# KiCad board LV Carrier Board.kicad_pcb (continued)
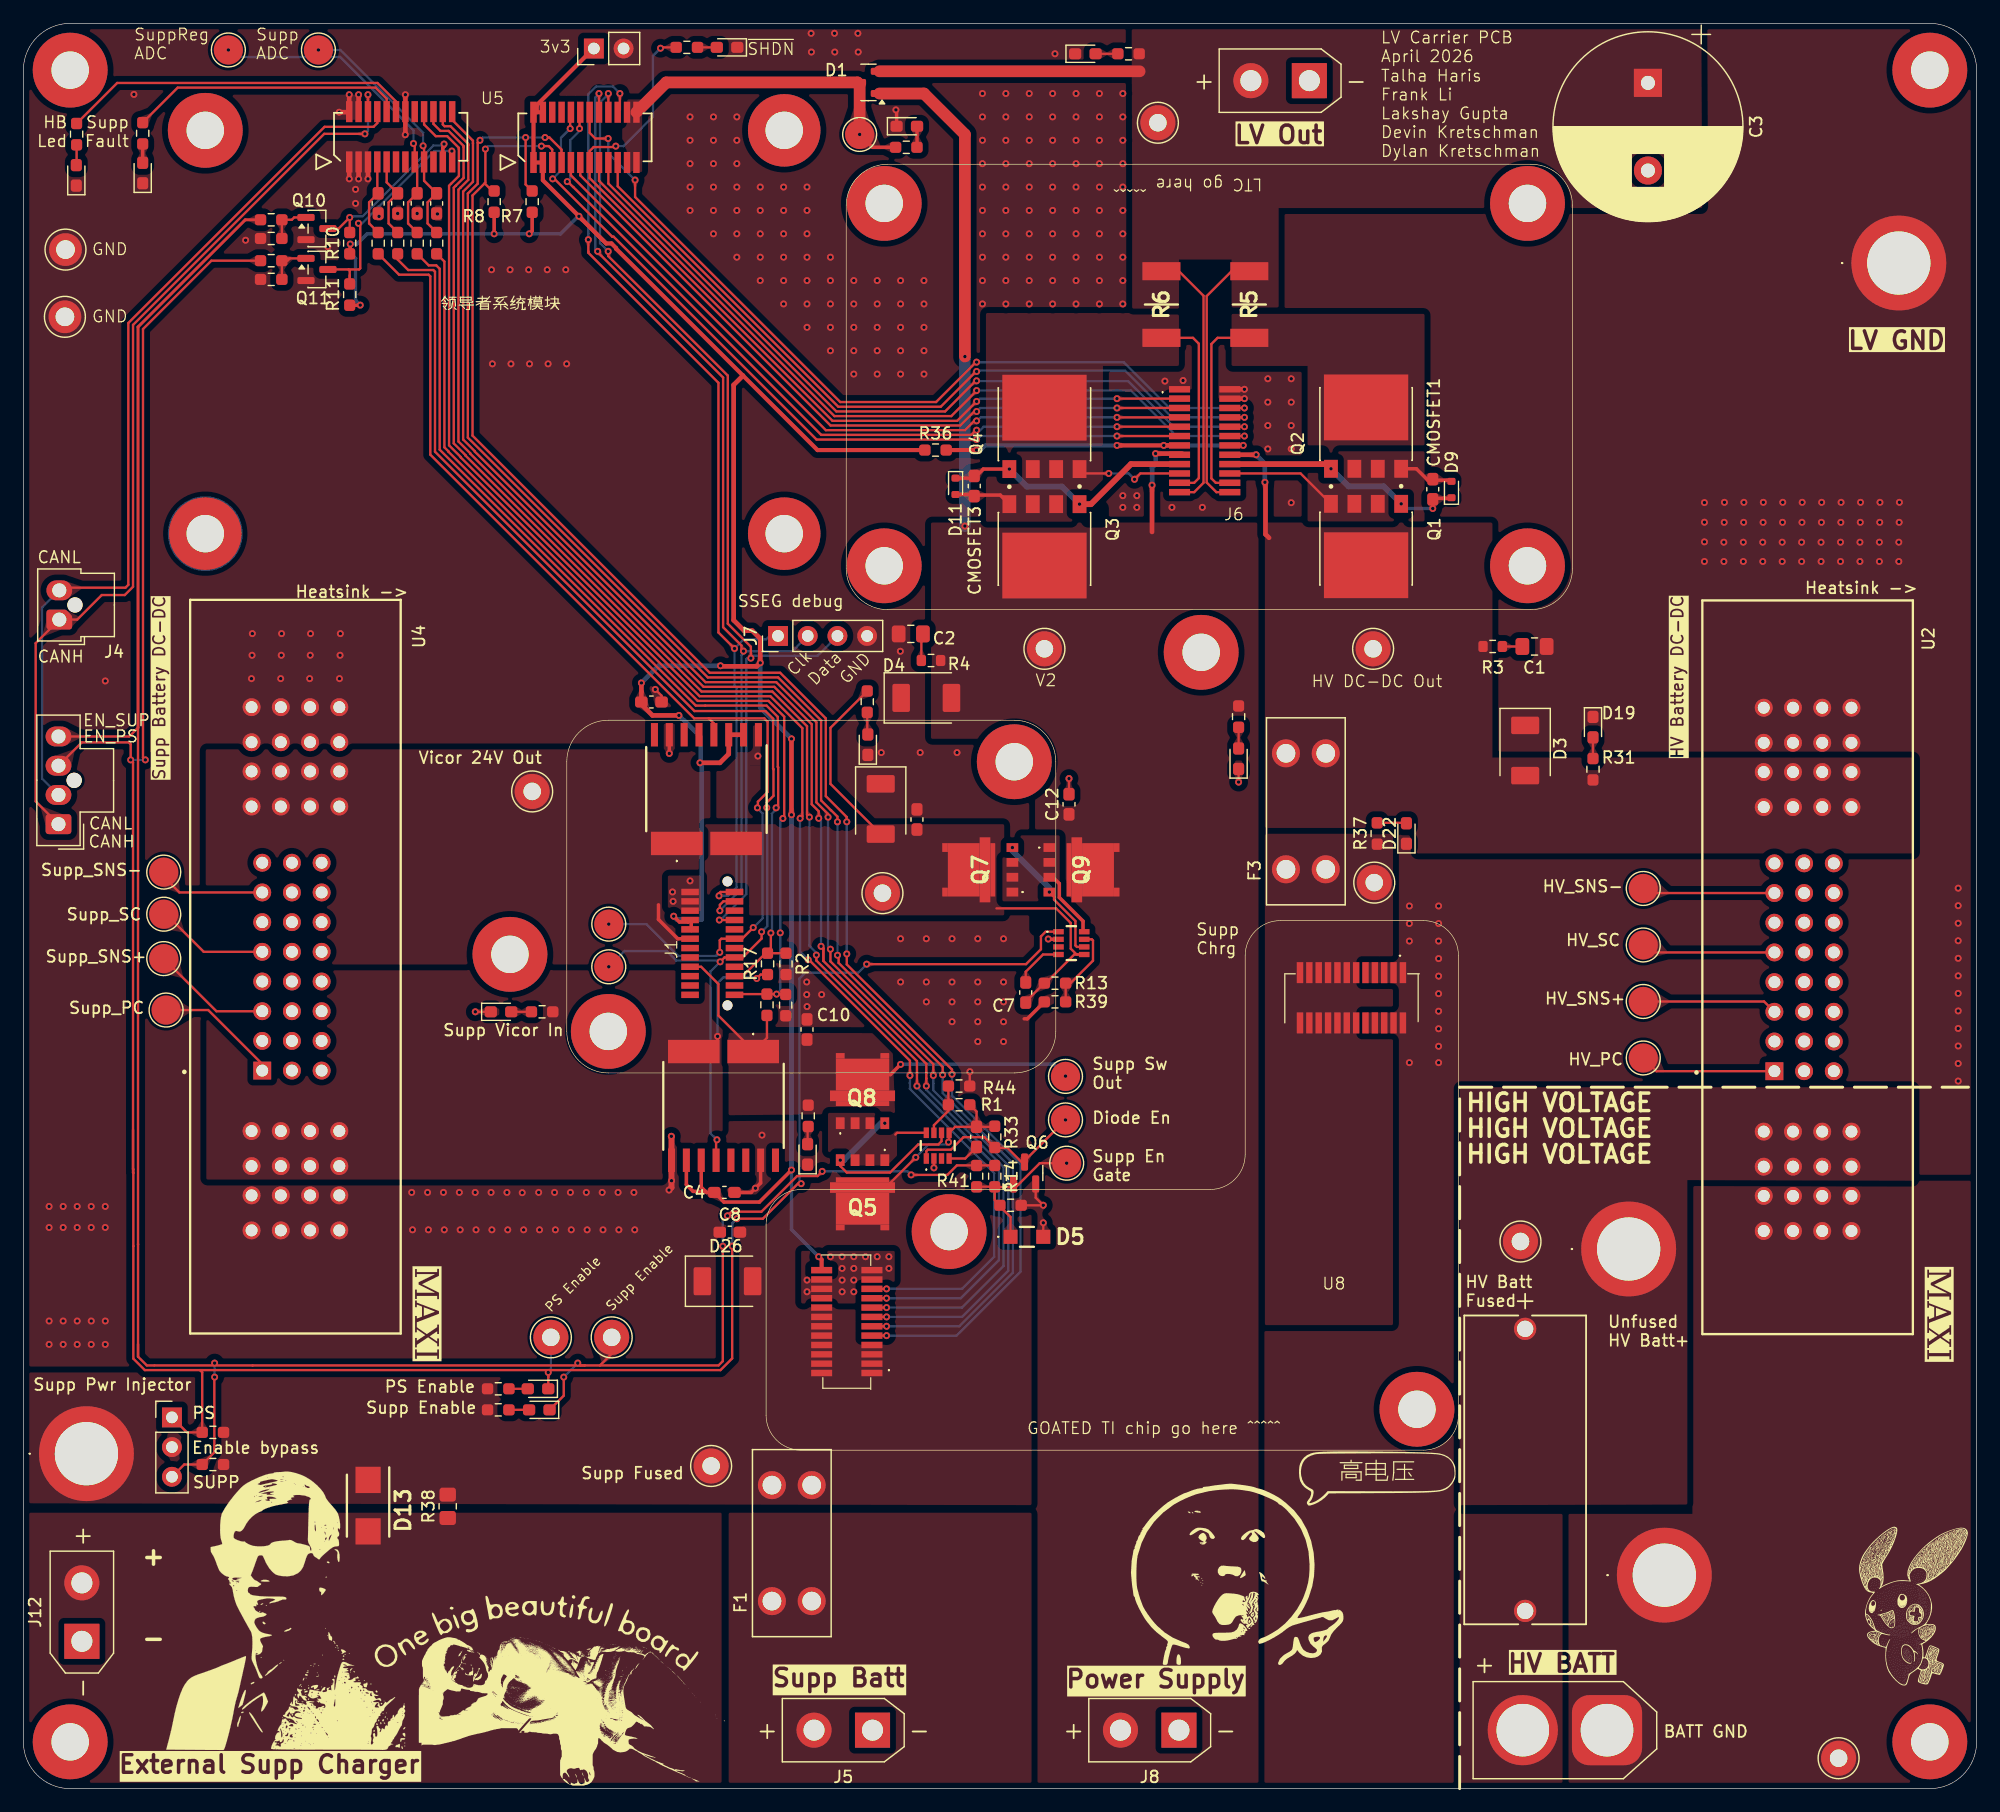
[diagram p0: board, top side]
## Library data of the parts (continued)
R5 R6 = -: Description: Resistor; P/N: WSLF25121L300FEA; Assemble: Y; LSCS P/N: WSLF25121L300FEA; ki_fp_filters: R_*
R7 R8 R21-R24 R39 = -: Description: Resistor; P/N: CRCW060310K0FKEI; Assemble: Y; LSCS P/N: C25804; ki_fp_filters: R_*
R9 R35 R40 R45 = -: Datasheet: https://www.mouser.com/ProductDetail/Vishay/CRCW06034K70FKEA?qs=4E3O%252BEEZcdLDG%2FSk4GmlWQ%3D%3D&srsltid=AfmBOoqcFOp_RyXq2yrOgJIYefuosjeBTcR7TE2c5E8zthdTaDTezlM7; Description: Resistor; P/N: CRCW06034K70FKEA; LSCC P/N: C23162; Assemble: Y; LSCS P/N: C23162; LCSC: C23162; ki_fp_filters: R_*
R10 R11 R44 = -: Datasheet: https://www.mouser.com/ProductDetail/Vishay/CRCW060310K0FKEI?qs=3qWEzBg5KnKofE%252B8acPBRA%3D%3D&srsltid=AfmBOoqKim6ih2rJJ1EIhwDCT-JirqUJIep-ZlqxnK3BQM3p3g1ka950; Description: Resistor; P/N: CRCW060310K0FKEI; LSCC P/N: C25804; Assemble: Y; LSCS P/N: C25804; LCSC: C25804; ki_fp_filters: R_*
R12 R18 = -: Description: Resistor; P/N: CRCW06031K00FKEI; Assemble: Y; LSCS P/N: C21190; ki_fp_filters: R_*
R13 = -: Description: Resistor; P/N: RT0603BRD07198KL; Assemble: Y; LCSC: C25811; ki_fp_filters: R_*
R14 R15 = -: Description: Resistor; P/N: CRCW060310K0FKEI; Assemble: N; LSCS P/N: C25804; ki_fp_filters: R_*
R16 R19 R25-R29 R31 R32 R37 = -: Description: Resistor; P/N: CRCW06034K30FKTA; Assemble: Y; LSCS P/N: C23162; ki_fp_filters: R_*
R17 R20 = -: Description: Resistor; P/N: CRCW060310K0FKEI; LCSC P/N: C25804; ki_fp_filters: R_*
R30 = -: Description: Resistor; P/N: CRCW06031K00FKEI; Assemble: Y; LSCS P/N: C21190; LCSC: C21190; ki_fp_filters: R_*
R33 R42 R43 = -: Description: Resistor; P/N: CRCW0603100KFKEE; Assemble: Y; LSCS P/N: C25803; ki_fp_filters: R_*
R36 = -: Description: Resistor; P/N: CRCW06034K30FKTA; Assemble: Y; LSCS P/N: C23162; LCSC: C21189; ki_fp_filters: R_*
R38 = -: Description: Resistor; P/N: CRCW08050000Z0EA; Assemble: N; LSCS P/N: C844934; LCSC: C21189; ki_fp_filters: R_*
R41 = -: Datasheet: https://www.mouser.com/ProductDetail/Vishay/CRCW06031K00FKEI?qs=%252B6g0mu59x7LmDUigK4duvw%3D%3D&srsltid=AfmBOoq-qbpfAjzhtzCNjmKpq35FQ1BHTaIyFUz28_1v8HZaKbIrwYgN; Description: Resistor; P/N: CRCW06031K00FKEI; LSCC P/N: C21190; Assemble: Y; LSCS P/N: C21190; LCSC: C21190; ki_fp_filters: R_*
TP1-TP29 = -: Description: test point; Assemble: N; ki_fp_filters: Pin* Test*
U2 = -: Datasheet: https://suddendocs.samtec.com/productspecs/et60s-et60t.pdf; Description: Maxi DC-DC Converter Carrier Vertical PCB Mount Connector; P/N: SAMTEC_ET60S-D02-3-08-D02-X-V1-S; Datasheet2: https://www.vicorpower.com/documents/datasheets/ds_110vin-maxi-family.pdf; Assemble: N
U4 = -: Datasheet: https://suddendocs.samtec.com/productspecs/et60s-et60t.pdf; Description: Maxi DC-DC Converter Carrier Vertical PCB Mount Connector; P/N: SAMTEC_ET60S-D02-3-08-D02-X-V1-S; Datasheet2: https://www.vicorpower.com/documents/datasheets/ds_24vin-micro-family.pdf; Assemble: N
U5 = -: Datasheet: https://github.com/lhr-solar/LeaderSOMPCB; Description: Symbol for both board-to-board connectors from the LeaderSOM; Height: 3.55; Mouser Part Number: 538-52465-2470; Mouser Price/Stock: https://www.mouser.co.uk/ProductDetail/Molex/52465-2470?qs=sEN%2FkO1EG6Yhu4DkZwbE7Q%3D%3D; Manufacturer_Name: Molex; P/N: 53307-2471; Assemble: N
U8 = -: Datasheet: https://www.digikey.com/en/products/detail/molex/0533072471/3197073; Height: 3.55; Mouser Part Number: 538-52465-2470; Manufacturer_Name: Molex; P/N: 53307-2471; Mouser Price/Stock: https://www.mouser.co.uk/ProductDetail/Molex/52465-2470?qs=sEN%2FkO1EG6Yhu4DkZwbE7Q%3D%3D; Assemble: N

## Footprints (pads in the part's own frame, mm; a bottom-side part is the same pattern mirrored in y, then rotated)
5754
  round 8.115 hole 5.41: 1(0,0)
AMASS_XT30UPB-M_1x02_P5.0mm_Vertical
  rect 3x3 hole 1.8: 1(0,0)
  round 3 hole 1.8: 2(5,0)
AMASS_XT60-M_1x02_P7.20mm_Vertical
  rrect 6x6 hole 4.5: 1(0,0)
  round 6 hole 4.5: 2(7.2,0)
AP74502HQTA87
  rect 0.45x0.9 smd: 1(-0.975,-1.1) 2(-0.325,-1.1) 3(0.325,-1.1) 4(0.975,-1.1) 5(0.975,1.1) 6(0.325,1.1) 7(-0.325,1.1) 8(-0.975,1.1)
B340BQ-13-F
  rect 2.25x2.15 smd: 1(-2.2,0) 2(2.2,0)
C_0603_1608Metric_Pad1.08x0.95mm_HandSolder
  rrect 1.075x0.95 smd: 1(-0.863,0) 2(0.863,0)
C_0805_2012Metric_Pad1.18x1.45mm_HandSolder
  rrect 1.175x1.45 smd: 1(-1.038,0) 2(1.038,0)
CP_Radial_D16.0mm_P7.50mm
  rect 2.4x2.4 hole 1.2: 1(0,0)
  round 2.4 hole 1.2: 2(7.5,0)
D_SOD-523
  rrect 0.6x0.7 smd: 1(-0.7,0) 2(0.7,0)
FUSE_3568
  round 2.4 hole 1.6: 1(-4.96,1.7) 1(-4.96,-1.7) 2(4.96,1.7) 2(4.96,-1.7)
FUSE_05200101Z_LTF
  round 1.905 hole 1.397: 1(0,0) 2(24.13,0)
HPZRC3V0QX
  rect 1.2x1.2 smd: 1(-1.4,0) 2(1.4,0)
LeaderSOM
  rect 0.55x1.8 smd: 1(3.474,-8.2) 2(3.474,-3.9) 3(4.274,-8.2) 4(4.274,-3.9) 5(5.074,-8.2) 6(5.074,-3.9) 7(5.874,-8.2) 8(5.874,-3.9) 9(6.674,-8.2) 10(6.674,-3.9) 11(7.474,-8.2) 12(7.474,-3.9) 13(8.274,-8.2) 14(8.274,-3.9) 15(9.074,-8.2) 16(9.074,-3.9) 17(9.874,-8.2) 18(9.874,-3.9) 19(10.674,-8.2) 20(10.674,-3.9) 21(11.474,-8.2) 22(11.474,-3.9) 23(12.274,-8.2) 24(12.274,-3.9) 25(-12.28,-8.15) 26(-12.28,-3.85) 27(-11.48,-8.15) 28(-11.48,-3.85) 29(-10.68,-8.15) 30(-10.68,-3.85) 31(-9.88,-8.15) 32(-9.88,-3.85) 33(-9.08,-8.15) 34(-9.08,-3.85) 35(-8.28,-8.15) 36(-8.28,-3.85) 37(-7.48,-8.15) 38(-7.48,-3.85) 39(-6.68,-8.15) 40(-6.68,-3.85) 41(-5.88,-8.15) 42(-5.88,-3.85) 43(-5.08,-8.15) 44(-5.08,-3.85) 45(-4.28,-8.15) 46(-4.28,-3.85) 47(-3.48,-8.15) 48(-3.48,-3.85)
  round 3.6 hole 3.2: 49(-24.59,-5.45) 50(24.91,-5.45) 51(24.91,-39.95) 52(-24.59,-39.95)
  round 6.4 smd: 49(-24.59,-5.45)
  round 6.4 smd far side: 49(-24.59,-5.45) 52(-24.59,-39.95)
  round 6.2 smd: 50(24.91,-5.45) 51(24.91,-39.95) 52(-24.59,-39.95)
  round 6.2 smd far side: 50(24.91,-5.45) 51(24.91,-39.95)
LED_0603_1608Metric_Pad1.05x0.95mm_HandSolder
  rrect 1.05x0.95 smd: 1(-0.875,0) 2(0.875,0)
LVMux
  rect 1.8x0.55 smd: 1(2.3,-4.5) 2(-2,-4.5) 3(2.3,-3.7) 4(-2,-3.7) 5(2.3,-2.9) 6(-2,-2.9) 7(2.3,-2.1) 8(-2,-2.1) 9(2.3,-1.3) 10(-2,-1.3) 11(2.3,-0.5) 12(-2,-0.5) 13(2.3,0.3) 14(-2,0.3) 15(2.3,1.1) 16(-2,1.1) 17(2.3,1.9) 18(-2,1.9) 19(2.3,2.7) 20(-2,2.7) 21(2.3,3.5) 22(-2,3.5) 23(2.3,4.3) 24(-2,4.3)
  round 3.6 hole 3.2: 25(-27.45,10.6) 25(-27.45,-20.4) 25(27.55,10.6) 25(27.55,-20.4)
  round 6.4 smd: 25(-27.45,10.6) 25(-27.45,-20.4) 25(27.55,10.6) 25(27.55,-20.4)
  round 6.4 smd far side: 25(-27.45,10.6) 25(-27.45,-20.4) 25(27.55,10.6) 25(27.55,-20.4)
Maxi_Carrier_Connector
  rect 1.53x1.53 hole 1.02: 1(8.89,-2.84)
  round 1.53 hole 1.02: 2(6.35,-2.84) 3(3.81,-2.84) 4(1.27,-2.84) 5(-1.27,-2.84) 6(-3.81,-2.84) 7(-6.35,-2.84) 8(-8.89,-2.84) 9(8.89,-0.3) 10(6.35,-0.3) 11(3.81,-0.3) 12(1.27,-0.3) 13(-1.27,-0.3) 14(-3.81,-0.3) 15(-6.35,-0.3) 16(-8.89,-0.3) 17(8.89,2.24) 18(6.35,2.24) 19(3.81,2.24) 20(1.27,2.24) 21(-1.27,2.24) 22(-3.81,2.24) 23(-6.35,2.24) 24(-8.89,2.24) P01(19.56,3.75) P01(19.56,1.25) P01(19.56,-1.25) P01(19.56,-3.75) P01(22.56,3.75) P01(22.56,1.25) P01(22.56,-1.25) P01(22.56,-3.75) P02(14.06,3.75) P02(14.06,1.25) P02(14.06,-1.25) P02(14.06,-3.75) P02(17.06,3.75) P02(17.06,1.25) P02(17.06,-1.25) P02(17.06,-3.75) P03(-16.7,3.75) P03(-16.7,1.25) P03(-16.7,-1.25) P03(-16.7,-3.75) P03(-13.7,3.75) P03(-13.7,1.25) P03(-13.7,-1.25) P03(-13.7,-3.75) P04(-22.2,3.75) P04(-22.2,1.25) P04(-22.2,-1.25) P04(-22.2,-3.75) P04(-19.2,3.75) P04(-19.2,1.25) P04(-19.2,-1.25) P04(-19.2,-3.75)
Molex_Nano-Fit_105309-xx02_1x02_P2.50mm_Vertical
  round 1.3 hole 1.3 unplated: (-1.34,-1.25)
  custom 2.2x1.7 hole 1.2: 1(0,0)
  oval 2.2x1.7 hole 1.2: 2(0,-2.5)
Molex_Nano-Fit_105309-xx04_1x04_P2.50mm_Vertical
  round 1.3 hole 1.3 unplated: (-1.08,-0.68)
  rrect 2.2x1.7 hole 1.2: 1(0.26,3.07)
  oval 2.2x1.7 hole 1.2: 2(0.26,0.57) 3(0.26,-1.93) 4(0.26,-4.43)
MountingHole_3.2mm_M3_Pad_TopBottom
  round 3.6 hole 3.2: 1(0,0)
  round 6.4 smd: 1(0,0)
  round 6.4 smd far side: 1(0,0)
NVMFWS3D0P04M8LT1G
  rect 0.75x1 smd: 1(-1.905,-2.75) 2(-0.635,-2.75) 3(0.635,-2.75) 4(1.905,-2.75)
  rect 0.75x0.48 smd: 5(1.905,3.01) 6(-1.905,3.01)
  rect 4.56x2.72 smd: 7(0,1.41)
  rect 5.56x0.91 smd: 8(0,-0.405)
  rect 4.56x0.42 smd: 9(0,-1.07)
PinHeader_1x02_P2.54mm_Vertical
  rect 1.7x1.7 hole 1: 1(0,0)
  round 1.7 hole 1: 2(0,-2.54)
PinHeader_1x03_P2.54mm_Vertical
  rect 1.7x1.7 hole 1: 1(0,0)
  round 1.7 hole 1: 2(0,-2.54) 3(0,-5.08)
PinHeader_1x04_P2.54mm_Vertical
  rect 1.7x1.7 hole 1: 1(0,0)
  oval 1.7x1.7 hole 1: 2(0,-2.54) 3(0,-5.08) 4(0,-7.62)
R_0603_1608Metric
  rrect 0.8x0.95 smd: 1(-0.825,0) 2(0.825,0)
R_0603_1608Metric_Pad0.98x0.95mm_HandSolder
  rrect 0.975x0.95 smd: 1(-0.912,0) 2(0.912,0)
R_0805_2012Metric_Pad1.20x1.40mm_HandSolder
  rrect 1.2x1.4 smd: 1(-1,0) 2(1,0)
SMBJ15DM3
  rrect 1.5x2.4 smd: 1(0,0) 2(4.3,0)
SOT-23
  rrect 1.475x0.6 smd: 1(-0.938,0.95) 2(-0.938,-0.95) 3(0.938,0)
SQJQ140E-T1_GE3
  rect 1.53x1.18 smd: 1(-3.65,3) 2(-3.65,1) 3(-3.65,-1) 4(-3.65,-3)
  rect 5.63x7.21 smd: 5(1.6,0)
SuppCharger
  rect 1.8x0.55 smd: 1(-39.7,-4.85) 2(-44,-4.85) 3(-39.7,-4.05) 4(-44,-4.05) 5(-39.7,-3.25) 6(-44,-3.25) 7(-39.7,-2.45) 8(-44,-2.45) 9(-39.7,-1.65) 10(-44,-1.65) 11(-39.7,-0.85) 12(-44,-0.85) 13(-39.7,-0.05) 14(-44,-0.05) 15(-39.7,0.75) 16(-44,0.75) 17(-39.7,1.55) 18(-44,1.55) 19(-39.7,2.35) 20(-44,2.35) 21(-39.7,3.15) 22(-44,3.15) 23(-39.7,3.95) 24(-44,3.95)
  rect 0.55x1.8 smd: 25(5.7,29.4) 26(5.7,25.1) 27(4.9,29.4) 28(4.9,25.1) 29(4.1,29.4) 30(4.1,25.1) 31(3.3,29.4) 32(3.3,25.1) 33(2.5,29.4) 34(2.5,25.1) 35(1.7,29.4) 36(1.7,25.1) 37(0.9,29.4) 38(0.9,25.1) 39(0.1,29.4) 40(0.1,25.1) 41(-0.7,29.4) 42(-0.7,25.1) 43(-1.5,29.4) 44(-1.5,25.1) 45(-2.3,29.4) 46(-2.3,25.1) 47(-3.1,29.4) 48(-3.1,25.1)
  round 3.6 hole 3.2: 49(-33.1,7.25) 50(6.9,-7.95)
  round 6.4 smd: 49(-33.1,7.25) 50(6.9,-7.95)
  round 6.4 smd far side: 49(-33.1,7.25) 50(6.9,-7.95)
SuppMon
  round 0.85 hole 0.85 unplated: (-1.95,1.7) (-1.95,-8.9)
  rect 1.5x0.55 smd: 1(-5.15,0.8) 2(-1.35,0.8) 3(-5.15,0) 4(-1.35,0) 5(-5.15,-0.8) 6(-1.35,-0.8) 7(-5.15,-1.6) 8(-1.35,-1.6) 9(-5.15,-2.4) 10(-1.35,-2.4) 11(-5.15,-3.2) 12(-1.35,-3.2) 13(-5.15,-4) 14(-1.35,-4) 15(-5.15,-4.8) 16(-1.35,-4.8) 17(-5.15,-5.6) 18(-1.35,-5.6) 19(-5.15,-6.4) 20(-1.35,-6.4) 21(-5.15,-7.2) 22(-1.35,-7.2) 23(-5.15,-8) 24(-1.35,-8)
  round 3.6 hole 3.2: 25(-12.14,-11.13) 25(22.57,11.94)
  round 6.4 smd: 25(-12.14,-11.13) 25(22.57,11.94)
  round 6.4 smd far side: 25(-12.14,-11.13) 25(22.57,11.94)
TestPoint_Keystone_5005-5009_Compact
  round 2.8 hole 1.6: 1(0,0)
TestPoint_Pad_D2.5mm
  round 2.5 smd: 1(0,0)
TestPoint_THTPad_D3.0mm_Drill1.5mm
  round 3 hole 1.5: 1(0,0)
TMCS1126C4AQDVGR
  rect 2x4.41 smd: 1(-4.65,2.54) 2(-4.65,-2.54)
  rect 2x0.6 smd: 3(4.65,-4.445) 4(4.65,-3.175) 5(4.65,-1.905) 6(4.65,-0.635) 7(4.65,0.635) 8(4.65,1.905) 9(4.65,3.175) 10(4.65,4.445)
WSLF25121L300FEA
  rect 1.55x3.25 smd: 1(-2.85,0) 2(2.85,0)

## Nets
+3V3: C4.1 C5.1 IC3.4 IC3.5 IC4.4 IC4.5 J1.7 J1.9 J17.1 R7.1 R8.1 R10.1 R11.1 R36.1 U5.1 U5.2 U5.3 U5.4 U8.24
/MUX HAT & FETs/3.3V_In: J6.13 J6.14 R36.2
GND: C1.2 C2.2 C3.2 C4.2 C5.2 C8.2 C9.2 C10.2 C11.2 C12.2 C13.2 C14.2 C15.2 D3.1 D4.1 D5.2 D6.1 D8.1 D10.1 D12.1 D14.1 D15.1 D16.1 D17.1 D19.1 D20.1 D22.1 D26.1 D27.1 IC1.2 IC2.2 IC3.3 IC3.9 IC4.3 IC4.9 J1.1 J1.3 J1.5 J5.1 J6.1 J6.2 J6.4 J7.4 J8.1 J9.1 J11.1 J12.1 J13.2 J17.2 Q6.2 Q10.2 Q11.2 R2.2 R15.2 R22.2 R24.2 R39.2 R44.2 R46.2 TP20.1 TP23.1 U2.P04 U4.P01 U4.P04 U5.25 U5.26 U5.27 U5.28 U5.29 U5.38 U8.18 U8.20 U8.21 U8.22 U8.23 U8.25 U8.26 U8.27 U8.28 U8.29 U8.30 U8.31 U8.32 U8.33 U8.34
GND_BATT: J3.1 J15.1 TP15.1 U2.P01
/Batt_V_unfused: F2.2 J3.2
/CANH: J2.1 J4.1 U5.30
/CANL: J2.2 J4.2 U5.32
/CHL1: J6.12 U5.15
/CHL2: J6.11 U5.10
/DCDC_Vout: D3.2 F3.2 J6.16 Q1.5 R3.1 R31.1 TP22.1 U2.P03
/DISABLE1: J6.6 U5.14
/DISABLE2: J6.5 U5.11
/EXT_CHG: D13.2 J12.2 R38.1
/FTL1: J6.8 U5.19
/FTL2: J6.7 U5.9
/HV_DCDC/Batt_V: F2.1 J14.1 TP17.1 U2.P02
/HV_DCDC/HV_PC: TP4.1 U2.1
/HV_DCDC/HV_SC: TP5.1 U2.5
/HV_DCDC/HV_SNS+: TP6.1 U2.3
/HV_DCDC/HV_SNS-: TP13.1 U2.7
/I2C_SCL: R7.2 U5.7 U8.11
/I2C_SDA: R8.2 U5.5 U8.9
/Ideal Diode/GATE: IC2.6 Q7.4 Q9.4
/Ideal Diode/OVLO: IC2.7 R13.2 R39.1
/Ideal Diode/SRC: IC2.8 Q7.1 Q7.2 Q7.3 Q9.1 Q9.2 Q9.3
/LV_EN_PS: D7.1 IC2.1 J2.3 J13.1 R23.1 R43.2 TP26.1
/LV_EN_SUPP: D2.1 J2.4 J13.3 R14.1 R21.1 R41.1 R42.2 TP25.1
/MCU/Heartbeat: R12.1 U5.36
/MCU/LSOM_24V_IN: D1.3 R26.1 TP10.1 U5.21 U5.22 U5.23 U5.24
/MCU/LV_EN_PS_3V3: Q11.3 R11.2 U5.47
/MCU/LV_EN_SUPP_3V3: Q10.3 R10.2 U5.45
/MCU/Supp_Fault: R18.1 U5.34
/MCU/Supp_I_ADC_filtered: C13.1 R40.2 U5.33
/MCU/Supp_V_ADC_filtered: C15.1 R45.2 TP24.1 U5.41
/MCU/SuppReg_I_ADC_filtered: C11.1 R35.2 U5.31
/MCU/SuppReg_V_ADC_filtered: C14.1 R9.2 TP29.1 U5.39
/MUX HAT & FETs/GATE1: CMOSFET1.1 D9.1 J6.18 Q1.1 Q2.1
/MUX HAT & FETs/GATE2: CMOSFET3.1 D11.1 J6.17 Q3.1 Q4.1
/MUX HAT & FETs/SENSE1: J6.22 Q2.5 R5.1
/MUX HAT & FETs/SENSE2: J6.21 Q4.5 R6.1
/MUX HAT & FETs/SOURCE1: CMOSFET1.2 D9.2 J6.20 Q1.2 Q1.3 Q1.4 Q2.2 Q2.3 Q2.4
/MUX HAT & FETs/SOURCE2: CMOSFET3.2 D11.2 J6.19 Q3.2 Q3.3 Q3.4 Q4.2 Q4.3 Q4.4
/Out: C3.1 D1.2 J6.23 J6.24 J9.2 R5.2 R6.2 R25.1 TP14.1
/PS: C12.1 D1.1 D4.2 J6.15 J8.2 Q3.5 Q9.5 Q9.6 Q9.7 Q9.8 Q9.9 R4.1 R32.1 TP18.1
/SHDN: J6.3 R30.1 U5.13
/SR_CLK: J1.4 J7.2 U5.16
/SR_DATA: J1.8 J7.3 U5.18
/Status_LED: J1.2 J7.1 U5.20
/SUPP_FUSED: C6.1 C8.1 D13.1 D26.2 F1.2 IC1.5 J16.1 Q5.5 Q5.6 Q5.7 Q5.8 Q5.9 R1.1 R16.1 R19.1 R33.1 R38.2 R42.1 R43.1 TP21.1 U8.1 U8.2 U8.3 U8.4 U8.5 U8.6 U8.7 U8.8 U8.10 U8.12 U8.14 U8.16
/Supp_I_ADC: IC4.6 J1.16 R40.1 TP16.1
/SUPP_IN: F1.1 J5.2
/SUPP_REG: C7.1 C9.1 D27.2 IC2.5 IC3.2 Q7.5 Q7.6 Q7.7 Q7.8 Q7.9 R13.1 R27.1 TP11.1
/Supp_V_ADC: J1.24 R20.2 R45.1 R46.1
/SuppCharger/BAT_CHRG_IN: F3.1 R37.1 TP9.1 U8.35 U8.36 U8.37 U8.38 U8.39 U8.40 U8.41 U8.42 U8.43 U8.44 U8.45 U8.46 U8.47 U8.48
/SuppCharger_En: U5.42 U8.19
/SuppCharger_Stat1: U5.46 U8.15
/SuppCharger_Stat2: U5.44 U8.17
/SuppCharger_~{INT}: U5.48 U8.13
/SupplementalBattery/Ideal Diode1/DIODE_EN: IC1.1 Q6.3 R33.2 TP8.1
/SupplementalBattery/Ideal Diode1/GATE: IC1.6 Q5.4 Q8.4
/SupplementalBattery/Ideal Diode1/OVLO: IC1.7 R1.2 R44.1
/SupplementalBattery/Ideal Diode1/SRC: IC1.8 Q5.1 Q5.2 Q5.3 Q8.1 Q8.2 Q8.3
/SupplementalBattery/SUPP_IN+: C10.1 IC4.1 J1.17 Q8.5 Q8.6 Q8.7 Q8.8 Q8.9 R20.1 R29.1 TP28.1
/SupplementalBattery/SUPP_PC: TP1.1 U4.1
/SupplementalBattery/SUPP_REG+: IC3.1 J1.11 TP19.1 U4.P03
/SupplementalBattery/Supp_Reg_In: IC4.2 R17.1 R28.1 U4.P02
/SupplementalBattery/SUPP_SC: TP2.1 U4.5
/SupplementalBattery/SUPP_SNS+: TP3.1 U4.3
/SupplementalBattery/SUPP_SNS-: TP12.1 U4.7
/SuppReg_I_ADC: IC3.6 J1.12 R35.1 TP27.1
/SuppReg_V_ADC: J1.20 R2.1 R9.1 R17.2
/VDL1: J6.10 U5.17
/VDL2: J6.9 U5.12
Net-(C1-Pad1): C1.1 R3.2
Net-(C2-Pad1): C2.1 R4.2
Net-(D2-A): D2.2 R16.2
Net-(D5-K): D5.1 Q6.1 R14.2 R15.1 R41.2 TP7.1
Net-(D6-A): D6.2 R12.2
Net-(D7-A): D7.2 R19.2
Net-(D8-A): D8.2 R25.2
Net-(D10-A): D10.2 R26.2
Net-(D12-A): D12.2 R18.2
Net-(D14-A): D14.2 R27.2
Net-(D15-A): D15.2 R28.2
Net-(D16-A): D16.2 R29.2
Net-(D17-A): D17.2 R30.2
Net-(D19-A): D19.2 R31.2
Net-(D20-A): D20.2 R32.2
Net-(D22-A): D22.2 R37.2
Net-(IC1-VCP): C6.2 IC1.4
Net-(IC2-VCP): C7.2 IC2.4
Net-(Q10-G): Q10.1 R21.2 R22.1
Net-(Q11-G): Q11.1 R23.2 R24.1

Pads without a net: H1 1; H2 1; H3 1; H4 1; H5 1; H6 1; IC1 3; IC2 3; IC3 7 8 10; IC4 7 8 10; J1 6 10 13 14 15 18 19 21 22 23 25; J6 25; U2 2 4 6 8 9 10 11 12 13 14 15 16 17 18 19 20 21 22 23 24; U4 2 4 6 8 9 10 11 12 13 14 15 16 17 18 19 20 21 22 23 24; U5 6 8 35 37 40 43 49 50 51 52; U8 49 50

## Via types
v1: diameter 0.6, hole 0.3, Top to Bottom, 530 vias

## Routing (per net, layer and track width the routed paths; a pad name or vN(x,y) marks a point on that pad's centre or on a via; arc(x,y) is an arc through that point)
+3V3: length 232.8
  Top w0.3: 28.4,126.89 28.79,126.89 v1(28.8,126.9) ; J1.7 56.83,74.13 56.09,74.13 v1(55.6,74.62) ; 57.1,73.4 57.1,74.2 ; 58.31,51.09 57.26,51.09 56.69,51.67 IC4.4 ; 58.31,51.09 57.95,51.44 IC4.5 ; 58.31,51.09 58.4,51 C4.1 59.9,50.17 62.93,50.17 v1(65.67,52.92) ; R8.1 v1(40.25,133) ; v1(27.94,132.12) 27.94,131.33 R10.1 ; R7.1 43.5,133.25 v1(43.25,133)
  Top w0.35: J17.1 48.74,148.85 43.9,144.01 43.9,143.4 ; 49.82,132.18 50.28,132.18 50.68,131.78 50.68,131.72 67.9,114.5 R36.1 ; 49.82,132.18 v1(47.5,134.5) ; 49.82,132.18 44.41,137.59 U5.3 U5.1 U5.2 43.9,143.4 ; 43.9,143.4 U5.4 ; v1(68,45.5) 68.25,45.25 U8.24
  Top w0.4: v1(65.67,83.3) v1(65.67,89.8) ; v1(52.84,94.58) 52.84,93.81 52.84,93.81 C5.1 52.84,92.75 53.79,91.8 v1(56.05,91.8) ; 61.53,120.87 60.73,120.07 60.73,99.95 61.62,99.05 62.32,99.05 63,98.37 v1(63,96.3) 62.7,96 59.65,96 v1(59.6,96.05) ; v1(57.85,87.75) 57.8,87.75 59.55,87.75 60.31,88.5 IC3.5 IC3.4
  Bottom w0.3: v1(28.8,126.9) 28.4,127.3 28.4,130.9 27.94,131.36 v1(27.94,132.12) 27.96,132.14 28.54,132.14 29.4,133 v1(40.25,133) v1(43.25,133) 45.93,133 47.43,134.5 v1(47.5,134.5) ; v1(68,45.5) 65.67,47.83 v1(65.67,52.92)
  Bottom w0.4: v1(65.67,52.92) v1(65.67,83.3) ; 58,87.55 58,74.35 55.86,74.35 55.6,74.61 v1(55.6,74.62) ; v1(56.05,91.8) 57.91,89.94 57.91,87.81 v1(57.85,87.75) ; v1(59.6,96.05) 54.31,96.05 v1(52.84,94.58) ; v1(65.67,89.8) 63,92.47 v1(63,96.3)
/MUX HAT & FETs/3.3V_In: length 30.2
  Top w0.35: R36.2 v1(81.5,114.5) ; v1(97.5,114.9) 99.15,114.9 v1(93.5,114.9) ; v1(104.3,114.9) 102.95,114.9
  Bottom w0.35: v1(93.5,114.9) 82.25,114.9 81.85,114.5 v1(81.5,114.5) ; v1(97.5,114.9) v1(104.3,114.9)
GND: length 42.8
  Top w0.2: 22.01,94.94 22,94.95 ; v1(30.41,134.49) 30.33,134.57 C11.2 ; 22.09,98.8 22.08,98.81 ; 80.91,60.05 80.91,61.31 v1(80.92,61.33) ; D20.1 v1(103.9,86.1) ; v1(35.4,134.7) 35.36,134.74 C15.2 ; C5.2 54.56,93.49 v1(54.03,94.03) ; D15.1 v1(38.64,66.45) ; D5.2 v1(87.2,48.4) ; IC1.2 v1(77.85,53.1) ; R15.2 v1(87.2,49.9) 86.55,50.55 Q6.2 ; 22.06,96.94 22.05,96.95 ; C12.2 v1(89.4,86.4) ; 19.56,96.94 19.55,96.95 ; 19.59,98.8 19.58,98.81 ; 67,67.9 v1(66.97,67.92) ; 62.84,88.37 v1(62.8,88.33) ; 19.51,94.94 19.5,94.95
  Top w0.3: 55.22,90.15 v1(55.22,88.55) ; v1(87.62,72.68) 87.65,72.65 IC2.2 ; 85.58,65.85 85.84,65.85 R39.2 ; C4.2 62.22,51 63.03,51.81 IC4.9 ; D10.1 74.66,143.54 v1(74.6,143.6)
  Top w0.4: v1(28.66,137.7) U5.27 ; v1(32.66,144.9) U5.38 32.66,141.48 v1(32.65,141.47) ; v1(27.86,137.7) U5.25 ; v1(28.66,144.9) U5.28 ; v1(27,143.4) 27.81,143.4 U5.26 v1(27.86,144.9) ; v1(29.46,137.7) U5.29 ; 102.95,118.9 v1(104.4,118.9) ; 102.95,119.7 v1(104.4,119.7)
  Top w0.5: v1(55.4,55.8) 55.42,55.78 55.42,51.42 v1(55.2,51.2)
  Bottom w0.2: 33.7,134.7 v1(33.67,134.74)
  vias: v1(2.2,49.8) v1(2.2,48) v1(2.2,40) v1(2.2,38) v1(3.4,49.8) v1(3.4,48) v1(3.4,40) v1(3.4,38) v1(4.6,49.8) v1(4.6,48) v1(4.6,40) v1(4.6,38) v1(5.8,49.8) v1(5.8,48) v1(5.8,40) v1(5.8,38) v1(7,94.75) v1(7,49.8) v1(7,48) v1(7,40) v1(7,38) v1(9.45,144.93) v1(19,132.45) v1(19.55,96.95) v1(19.5,94.95) v1(19.58,98.8) v1(22.05,96.95) v1(22,94.95) v1(22.08,98.8) v1(24.55,98.8) v1(24.52,96.95) v1(24.48,94.95) v1(26.02,131.9) v1(27.02,94.95) v1(27.1,98.8) v1(27.08,96.95) v1(28.4,136.8) v1(28.4,135.6) v1(32,134.74) v1(33.2,51) v1(33.27,47.8) v1(34.56,51) v1(34.63,47.8) v1(35.91,51) v1(35.99,47.8) v1(37.27,51) v1(37.34,47.8) v1(38.63,51) v1(38.7,47.8) v1(40.02,129.93) v1(39.99,51) v1(40.1,121.88) v1(40.06,47.8) v1(41.34,51) v1(41.41,47.8) v1(41.61,129.93) v1(41.69,121.88) v1(42.65,50.97) v1(42.77,47.8) v1(43.2,129.93) v1(43.27,121.88) v1(44.06,51) v1(44.13,47.8) v1(44.79,129.93) v1(44.86,121.88) v1(45.41,51) v1(45.49,47.8) v1(46.38,129.93) v1(46.45,121.88) v1(46.77,51) v1(46.84,47.8) v1(48.13,51) v1(48.2,47.8) v1(49.49,51) v1(49.56,47.8) v1(50.84,51) v1(50.91,47.8) v1(52.2,51) v1(52.27,47.8) v1(55.42,52) v1(55.5,76.7) v1(55.55,75.9) v1(57,143) v1(57,141) v1(57,139) v1(57,137) v1(57,135) v1(57,77.65) v1(59,143) v1(59,141) v1(59,139) v1(59,137) v1(59,135) v1(59,133) v1(61,143) v1(61,141) v1(61,139) v1(61,137) v1(61,135) v1(61,133) v1(61,131) v1(62.59,51.36) v1(63,137) v1(63,135) v1(63,133) v1(63,131) v1(63,129) v1(63.15,55.9) v1(65,137) v1(65,135) v1(65,133) v1(65,131) v1(65,129) v1(65,127) v1(67,137) v1(67,135) v1(67,133) v1(67,131) v1(67,129) v1(67,127) v1(67,125) v1(66.97,69) v1(67,66.9) v1(67,43.5) v1(67,42.5) v1(67.35,150.15) v1(67.38,148.55) v1(68.25,67.92) v1(69,131) v1(69,129) v1(69,127) v1(69,125) v1(69,123) v1(69,45.5) v1(69.35,150.15) v1(69.38,148.55) v1(70,45.5) v1(70,44.5) v1(70,43.5) v1(70,42.5) v1(71,129) v1(71,127) v1(71,125) v1(71,123) v1(71,121) v1(71,45.5) v1(71,44.5) v1(71,43.5) v1(71,42.5) v1(71.35,150.15) v1(71.38,148.55) v1(72,45.5) v1(73,129) v1(73,127) v1(73,125) v1(73,123) v1(73,121) v1(73,45.5) v1(73.35,88.62) v1(74,45.5) v1(74,44.5) v1(75,129) v1(75,127) v1(75,125) v1(75,123) v1(75,121) v1(74.98,97.29) v1(75,72.7) v1(75,69) v1(76.67,88.62) v1(77,129) v1(77,127) v1(77,125) v1(77,123) v1(77,121) v1(77.2,72.7) v1(77.2,69) v1(77.2,67.3) v1(79.4,72.7) v1(79.4,69) v1(79.4,67.3) v1(79.4,65.6) v1(79.83,88.62) v1(81.6,72.7) v1(81.6,69) v1(81.6,67.3) v1(81.6,65.6) v1(81.6,63.9) v1(82,145) v1(82,143) v1(82,141) v1(82,139) v1(82,137) v1(82,135) v1(82,133) v1(82,131) v1(82,129) v1(82,127) v1(83.8,72.7) v1(83.8,69) v1(83.8,67.3) v1(83.8,65.6) v1(83.8,63.9) v1(84,145) v1(84,143) v1(84,141) v1(84,139) v1(84,137) v1(84,135) v1(84,133) v1(84,131) v1(84,129) v1(84,127) v1(86,145) v1(86,143) v1(86,141) v1(86,139) v1(86,137) v1(86,135) v1(86,133) v1(86,131) v1(86,129) v1(86,127) v1(88,145) v1(88,143) v1(88,141) v1(88,139) v1(88,137) v1(88,135) v1(88,133) v1(88,131) v1(88,129) v1(88,127) v1(88.2,148.4) v1(90,145) v1(90,143) v1(90,141) v1(90,139) v1(90,137) v1(90,135) v1(90,133) v1(90,131) v1(90,129) v1(90,127) v1(92,145) v1(92,143) v1(92,141) v1(92,139) v1(92,137) v1(92,135) v1(92,133) v1(92,131) v1(92,129) v1(92,127) v1(94,145) v1(94,143) v1(94,141) v1(94,139) v1(94,137) v1(94,135) v1(94,133) v1(94,131) v1(94,129) v1(94,127) v1(94,110.6) v1(94,109.6) v1(95.2,110.6) v1(95.2,109.6) v1(97.6,120.4) v1(98.2,109.6) v1(99.15,120.45) v1(100.8,109.6) v1(106.4,120.6) v1(106.4,118.6) v1(106.4,116.6) v1(106.4,114.6) v1(108.4,120.6) v1(108.4,118.6) v1(108.4,116.6) v1(108.4,114.6) v1(108.4,110) v1(118.5,75.5) v1(118.5,74) v1(118.5,72.5) v1(118.5,62.1) v1(121,75.5) v1(121,74) v1(121,72.5) v1(121,71) v1(121,69.5) v1(121,68) v1(121,66.5) v1(121,65) v1(121,63.5) v1(121,62.1) v1(143.73,110.01) v1(143.73,108.33) v1(143.73,106.65) v1(143.73,104.97) v1(145.44,110.03) v1(145.42,108.32) v1(145.39,106.62) v1(145.39,104.97) v1(147.1,110.03) v1(147.08,108.32) v1(147.05,106.62) v1(147.05,104.97) v1(148.74,108.32) v1(148.71,106.62) v1(148.72,104.97) v1(148.76,110.03) v1(150.43,110.03) v1(150.41,108.32) v1(150.38,106.62) v1(150.38,104.97) v1(152.04,106.62) v1(152.04,104.97) v1(152.09,110.03) v1(152.07,108.32) v1(153.73,108.32) v1(153.7,106.62) v1(153.7,104.97) v1(153.75,110.03) v1(155.41,110.03) v1(155.39,108.32) v1(155.36,106.62) v1(155.36,104.97) v1(157.02,106.62) v1(157.03,104.97) v1(157.07,110.03) v1(157.05,108.32) v1(158.74,110.03) v1(158.72,108.32) v1(158.69,106.62) v1(158.69,104.97) v1(160.35,106.62) v1(160.35,104.97) v1(160.4,110.03) v1(160.38,108.32) v1(165.43,77.03) v1(165.43,75.53) v1(165.43,74.03) v1(165.43,72.53) v1(165.43,71.03) v1(165.43,69.53) v1(165.43,68.03) v1(165.43,66.53) v1(165.43,65.03) v1(165.43,63.53) v1(165.43,62.03) v1(165.43,60.53)
/CANH: length 80
  Top w0.2: v1(29.2,141.55) 25.72,141.55 9.37,125.21 9.37,102.81 8.67,102.1 6.7,102.1 4.6,100 3.6,100 ; J2.1 1.05,84.45 1.05,97.98 J4.1 ; v1(29.46,144.9) U5.30
  Bottom w0.2: v1(29.46,144.9) 29.46,141.81 v1(29.2,141.55)
/CANL: length 76
  Top w0.2: U5.32 30.26,142.47 29.94,142.15 25.75,142.15 8.97,125.37 8.97,102.97 8.73,102.73 3.83,102.73 3.6,102.5
  Bottom w0.2: J4.2 1.6,101.03 1.6,86.4 J2.2
/CHL1: length 69.1
  Top w0.2: U5.15 49.21,137.53 69.34,117.4 79.33,117.4 81.5,119.57 v1(81.5,119.59) ; v1(104.4,115.7) 102.95,115.7
  Bottom w0.2: v1(81.5,119.59) 81.51,119.6 94.68,119.6 98.58,115.7 v1(104.4,115.7)
/CHL2: length 69.6
  Top w0.2: 99.15,115.7 v1(93.5,115.7) ; v1(45.25,137.7) 45.4,137.7 50.35,132.75 50.46,132.75 67.81,115.4 v1(81.5,115.4) ; v1(46.75,142) 46.75,143.34 U5.10
  Bottom w0.2: v1(93.5,115.7) 81.85,115.7 81.55,115.4 v1(81.5,115.4) ; v1(45.25,137.7) 45.96,138.4 45.96,141.21 v1(46.75,142)
/DCDC_Vout: length 10
  Top w0.4: v1(105.4,114.1) 102.95,114.1 ; 106.5,107 106.2,107.3 106.2,111.7 v1(106.15,111.75)
  Bottom w0.4: v1(105.4,114.1) 106.15,113.35 v1(106.15,111.75)
/DISABLE1: length 73.4
  Top w0.2: v1(104.4,118.1) 102.95,118.1 ; v1(81.5,122.02) 81.45,122.02 78.03,118.61 69.84,118.61 52.3,136.15 v1(52.3,137.6) ; U5.14 48.41,141.64 48.9,141.15 v1(50,141.15)
  Bottom w0.2: v1(104.4,118.1) 97.99,118.1 94.09,122 81.52,122 v1(81.5,122.02) ; v1(52.3,137.6) 50,139.9 v1(50,141.15)
/DISABLE2: length 62.1
  Top w0.2: v1(81.5,117.8) 81.3,117.8 80.1,116.6 69.01,116.6 47.61,138 U5.11 ; v1(93.5,118.1) 99.15,118.1
  Bottom w0.2: v1(93.5,118.1) 81.8,118.1 v1(81.5,117.8)
/FTL1: length 67.8
  Top w0.2: U5.19 50.81,137.07 69.68,118.21 78.43,118.21 81.45,121.22 v1(81.5,121.22) ; v1(104.4,117.3) 102.95,117.3
  Bottom w0.2: v1(81.5,121.22) 81.58,121.3 94.2,121.3 98.2,117.3 v1(104.4,117.3)
/FTL2: length 62.9
  Top w0.2: v1(81.5,117) 81.3,117 80.5,116.2 68.61,116.2 46.81,138 U5.9 ; v1(93.5,117.3) 99.15,117.3
  Bottom w0.2: v1(93.5,117.3) 81.85,117.3 81.55,117 v1(81.5,117)
/HV_DCDC/HV_PC: length 11.7
  Top w0.2: U2.1 139.63,61.37 TP4.1
/HV_DCDC/HV_SC: length 11.5
  Top w0.2: TP5.1 139.14,71.53 U2.5
/HV_DCDC/HV_SNS+: length 11.6
  Top w0.2: U2.3 148.83,67.33 TP6.1
/HV_DCDC/HV_SNS-: length 11.4
  Top w0.2: TP13.1 138.89,76.61 U2.7
/I2C_SCL: length 147.6
  Top w0.2: R7.2 42.94,137.22 v1(42.94,141.24) ; v1(73.8,39.55) U8.11 ; v1(69.6,82.7) 69.6,83.15 69.05,83.7 69.04,83.7 68.2,84.53 68.2,91.38 64.53,95.05 58.52,95.05 38,115.57 38,136.44 38.84,137.28 38.84,140.81 v1(39.04,141) ; v1(69.61,71.29) 69.62,71.3 69.7,71.3 69.7,70.63 78.6,61.73 78.6,61.17 78.6,61.17 v1(78.6,61.06) ; v1(44.6,141.24) 44.98,141.24 46.01,140.2 U5.7
  Bottom w0.2: v1(39.04,141) 39.27,141.24 v1(44.6,141.24) ; v1(73.8,39.55) 80.02,39.55 84.6,44.14 84.6,53.5 78.6,59.5 v1(78.6,61.06) ; v1(69.6,82.7) 69.61,82.69 v1(69.61,71.29)
/I2C_SDA: length 142.5
  Top w0.2: v1(70.4,71.4) 70.4,70.5 79.4,61.5 v1(79.4,61.11) ; 39.44,137.31 40.09,136.66 R8.2 ; 39.44,137.31 38.4,136.28 38.4,115.73 58.68,95.45 64.7,95.45 68.61,91.55 68.61,84.9 70.39,83.11 70.39,82.71 v1(70.4,82.7) ; 39.44,137.31 39.5,137.38 v1(39.5,140.25) ; U5.5 45.21,140.2 44.91,140.5 v1(44.29,140.5) ; v1(73.8,38.75) U8.9
  Bottom w0.2: v1(70.4,71.4) 70.39,71.41 70.39,82.69 v1(70.4,82.7) ; v1(39.5,140.25) 39.75,140.5 v1(44.29,140.5) ; v1(73.8,38.75) 79.78,38.75 85.25,44.22 85.25,53.42 79.4,59.27 v1(79.4,61.11)
/Ideal Diode/GATE: length 10.8
  Top w0.2: IC2.6 90.07,72 89.95,72.12 89.95,74.21 88.12,76.04 88.12,76.28 87.72,76.68 v1(87.72,76.69)
  Bottom w0.5: 84.56,80.2 87.72,77.05
  vias: v1(84.56,80.5)
/Ideal Diode/OVLO: length 7.3
  Top w0.2: IC2.7 91.35,72.65 91.45,72.55 91.45,70.82 89.53,68.9 R13.2 R39.1
/Ideal Diode/SRC: length 6.1
  Top w0.3: IC2.8 90.6,73.4 90.6,74.2 88.57,76.23 88.57,77.42 88.03,77.96 Q9.3
/LV_EN_PS: length 241.2
  Top w0.2: 15.1,35.8 45,35.8 ; 15.1,35.8 15.29,35.61 R43.2 13.98,30.47 J13.1 ; 15.1,35.8 10.38,35.8 9.4,36.78 9.4,46.4 9.4,52.65 ; R23.1 16.07,130.7 10.23,124.85 10.23,88.2 v1(10.43,88) ; v1(72.1,70.52) 85.72,70.52 87,71.8 87,72.9 87.4,73.3 IC2.1 ; 45,35.8 44.88,35.68 44.88,35.2 ; 45,35.8 59.6,35.8 60.6,36.8 v1(60.6,46.4) ; 9.37,56.35 9.37,52.67 9.4,52.65 ; D7.1 44.88,35.2 ; 44.88,35.2 44.88,35.4 ; v1(61,48.75) 63.22,48.75 66.22,51.75 v1(66.5,51.75) ; 9.4,52.65 9.4,52.98 9.37,53 9.37,87.8 v1(9.18,88) 9.18,89.33 9,89.5 5,89.5 J2.3
  Bottom w0.2: v1(60.6,46.4) 60.6,48.35 60.65,48.4 ; 60.65,48.4 v1(61,48.75) ; 60.65,48.4 60.75,48.5 ; v1(72.1,70.52) 71.38,69.8 66.85,69.8 66.35,69.3 66.35,51.9 v1(66.5,51.75) ; v1(9.18,88) v1(10.43,88) ; 44.7,38.2 TP26.1 45.1,35.82 v1(44.88,35.6)
/LV_EN_SUPP: length 219.2
  Top w0.2: v1(68.3,52.8) 67.9,52.4 66.15,52.4 63.1,49.35 60.55,49.35 v1(60.2,49) ; 83,53.11 82.8,53.31 79.81,53.31 79,52.5 v1(75.9,52.5) ; 9.8,36.95 10.55,36.2 48,36.2 ; 9.8,36.95 9.8,38.03 ; 9.8,36.95 9.8,46.57 9.8,46.57 9.8,90.75 9.05,90 J2.4 ; 12.7,26.68 13.75,27.72 R42.2 16.32,28.76 16.32,35.17 v1(16.35,35.2) ; 49.3,36.2 50.3,37.2 TP25.1 ; 49.3,36.2 48,36.2 ; 49.3,36.2 59.43,36.2 59.8,36.57 v1(59.8,46.4) ; 48,36.2 47.6,36.2 v1(47.4,36.4) ; D2.1 46.2,33.61 v1(46.2,35.2)
  Top w0.25: R21.1 18.97,134.2 9.8,125.03 9.8,90.75
  Bottom w0.2: v1(75.9,52.5) 75.6,52.8 v1(68.3,52.8) ; v1(60.2,49) 59.8,48.6 v1(59.8,46.4) ; v1(16.35,35.2) v1(16.35,36.4) ; v1(46.2,35.2) v1(47.4,36.4)
/MCU/Heartbeat: length 30.3
  Top w0.2: U5.36 31.86,144.32 30.28,145.9 8.01,145.9 R12.1
/MCU/LSOM_24V_IN: length 28
  Top w0.3: v1(71.5,141.5) 72.6,140.4 R26.1
  Top w1: U5.24 54.96,145.95 D1.3 71.5,145.76 v1(71.5,141.5)
/MCU/LV_EN_PS_3V3: length 19.2
  Top w0.2: v1(28.65,133.9) 28.8,133.75 28.8,130.05 28.7,129.95 27.8,129.95 ; R11.2 27.9,129.85 27.8,129.95 ; 27.8,129.95 26.54,129.95 ; 27.9,129.21 27.9,129.45
  Top w0.3: U5.47 36.66,140.05 v1(36.64,140.08)
  Bottom w0.2: v1(36.64,140.08) 35.15,140.08 28.97,133.9 v1(28.65,133.9)
/MCU/LV_EN_SUPP_3V3: length 15.8
  Top w0.2: R10.2 v1(27.9,134.4) 26.95,133.45 Q10.3
  Top w0.3: U5.45 35.86,140.35 35.97,140.46 v1(35.97,140.68)
  Bottom w0.2: v1(27.9,134.4) 28,134.5 29,134.5 35.05,140.55 35.84,140.55 v1(35.97,140.68)
/MCU/Supp_Fault: length 23.6
  Top w0.2: R18.1 13.19,145.5 30.11,145.5 31.06,144.55 U5.34
/MCU/Supp_I_ADC_filtered: length 7.1
  Top w0.2: R40.2 31.22,133.89 31.22,135.69 C13.1 31.06,137.4 U5.33
/MCU/Supp_V_ADC_filtered: length 21.5
  Top w0.2: v1(34.18,140.52) 34.26,140.44 U5.41 34.26,137.54 C15.1 34.56,135.69 34.56,133.89 R45.2
  Bottom w0.2: v1(25.23,148.72) 27.1,148.72 34.18,141.65 v1(34.18,140.52)
/MCU/SuppReg_I_ADC_filtered: length 6.7
  Top w0.2: R35.2 29.56,133.89 29.56,135.69 C11.1 30.33,136.53 30.26,136.61 U5.31
/MCU/SuppReg_V_ADC_filtered: length 28.2
  Top w0.2: R9.2 32.89,133.89 32.89,135.69 C14.1 33.67,138.94 U5.39 33.46,140.62 v1(33.35,140.72)
  Bottom w0.2: v1(17.52,148.72) 18.13,148.12 27.09,148.12 33.35,141.86 v1(33.35,140.72)
/MUX HAT & FETs/GATE1: length 21.6
  Top w0.3: D9.1 122.05,110.38 120.5,110.38 v1(120.5,109.5)
  Top w0.5: v1(111.8,112.9) 111.4,113.3 102.95,113.3
  Bottom w0.3: v1(120.5,109.5) 118.2,109.5 v1(117.8,109.9)
  Bottom w0.5: v1(117.8,109.9) 116.3,111.4 113.3,111.4 v1(111.8,112.9)
/MUX HAT & FETs/GATE2: length 22.4
  Top w0.3: D11.1 81.2,112.1 81.3,112.2 81.4,112.2 82.08,112.88 v1(84.3,112.88)
  Top w0.5: v1(90.3,109.88) 91.28,109.88 94.7,113.3 99.15,113.3
  Bottom w0.5: v1(90.3,109.88) 88.8,111.38 85.8,111.38 v1(84.3,112.88)
/MUX HAT & FETs/SENSE1: length 15.5
  Top w0.2: 102.95,111.7 101.95,111.7 101.57,112.08 101.57,123.57 102.1,124.1 103.8,124.1
/MUX HAT & FETs/SENSE2: length 15.4
  Top w0.2: 98.3,124.1 100,124.1 100.5,123.6 100.5,112.1 100.1,111.7 99.15,111.7
/MUX HAT & FETs/SOURCE1: length 14.7
  Top w0.2: Q1.4 109.2,112.5 102.95,112.5
  Top w0.3: D9.2 122,111.92 120.07,111.92 119.1,112.9 Q2.4
/MUX HAT & FETs/SOURCE2: length 14.4
  Top w0.2: v1(95,112) 95.5,112.5 99.15,112.5 ; Q4.4 90.67,112.5 v1(92.8,112.5)
  Top w0.3: D11.2 81.25,110.7 81.3,110.65 83.53,110.65 Q3.4
  Bottom w0.2: v1(92.8,112.5) 94.5,112.5 v1(95,112)
/Out: length 67.4
  Top w0.2: R6.2 98.8,129.8 100.9,127.7 100.9,111.7 100.1,110.9 99.15,110.9 ; 102.95,110.9 102,110.9 101.17,111.73 101.17,127.67 103.3,129.8 R5.2
  Top w1: 95.44,146.9 D1.2
/PS: length 51.3
  Top w0.4: v1(96.5,111.5) 96.5,107.5 ; v1(96.8,114.2) 99.05,114.2
  Top w1: v1(80.5,122.5) 80.5,141.5 77,145 D1.1
  Bottom w0.4: v1(96.8,114.2) 96.8,113.3 96.5,113 v1(96.5,111.5)
  Bottom w1: v1(80.5,122.5) v1(80.5,108)
/SHDN: length 76.6
  Top w0.2: v1(93.5,118.9) 99.15,118.9 ; v1(50.65,140.5) 50.58,140.43 48.76,140.43 48.41,140.08 U5.13 48.41,137.77 69.18,117 79.84,117 v1(81.5,118.66) ; R30.1 54.55,148.95 v1(54.47,148.88)
  Bottom w0.2: v1(81.5,118.66) 81.56,118.66 81.8,118.9 v1(93.5,118.9) ; v1(50.65,140.5) 51.31,140.5 53.83,143.01 53.83,148.22 v1(54.47,148.88)
